# KiCad board AmigaPCI Mainboard.kicad_pcb (continued)
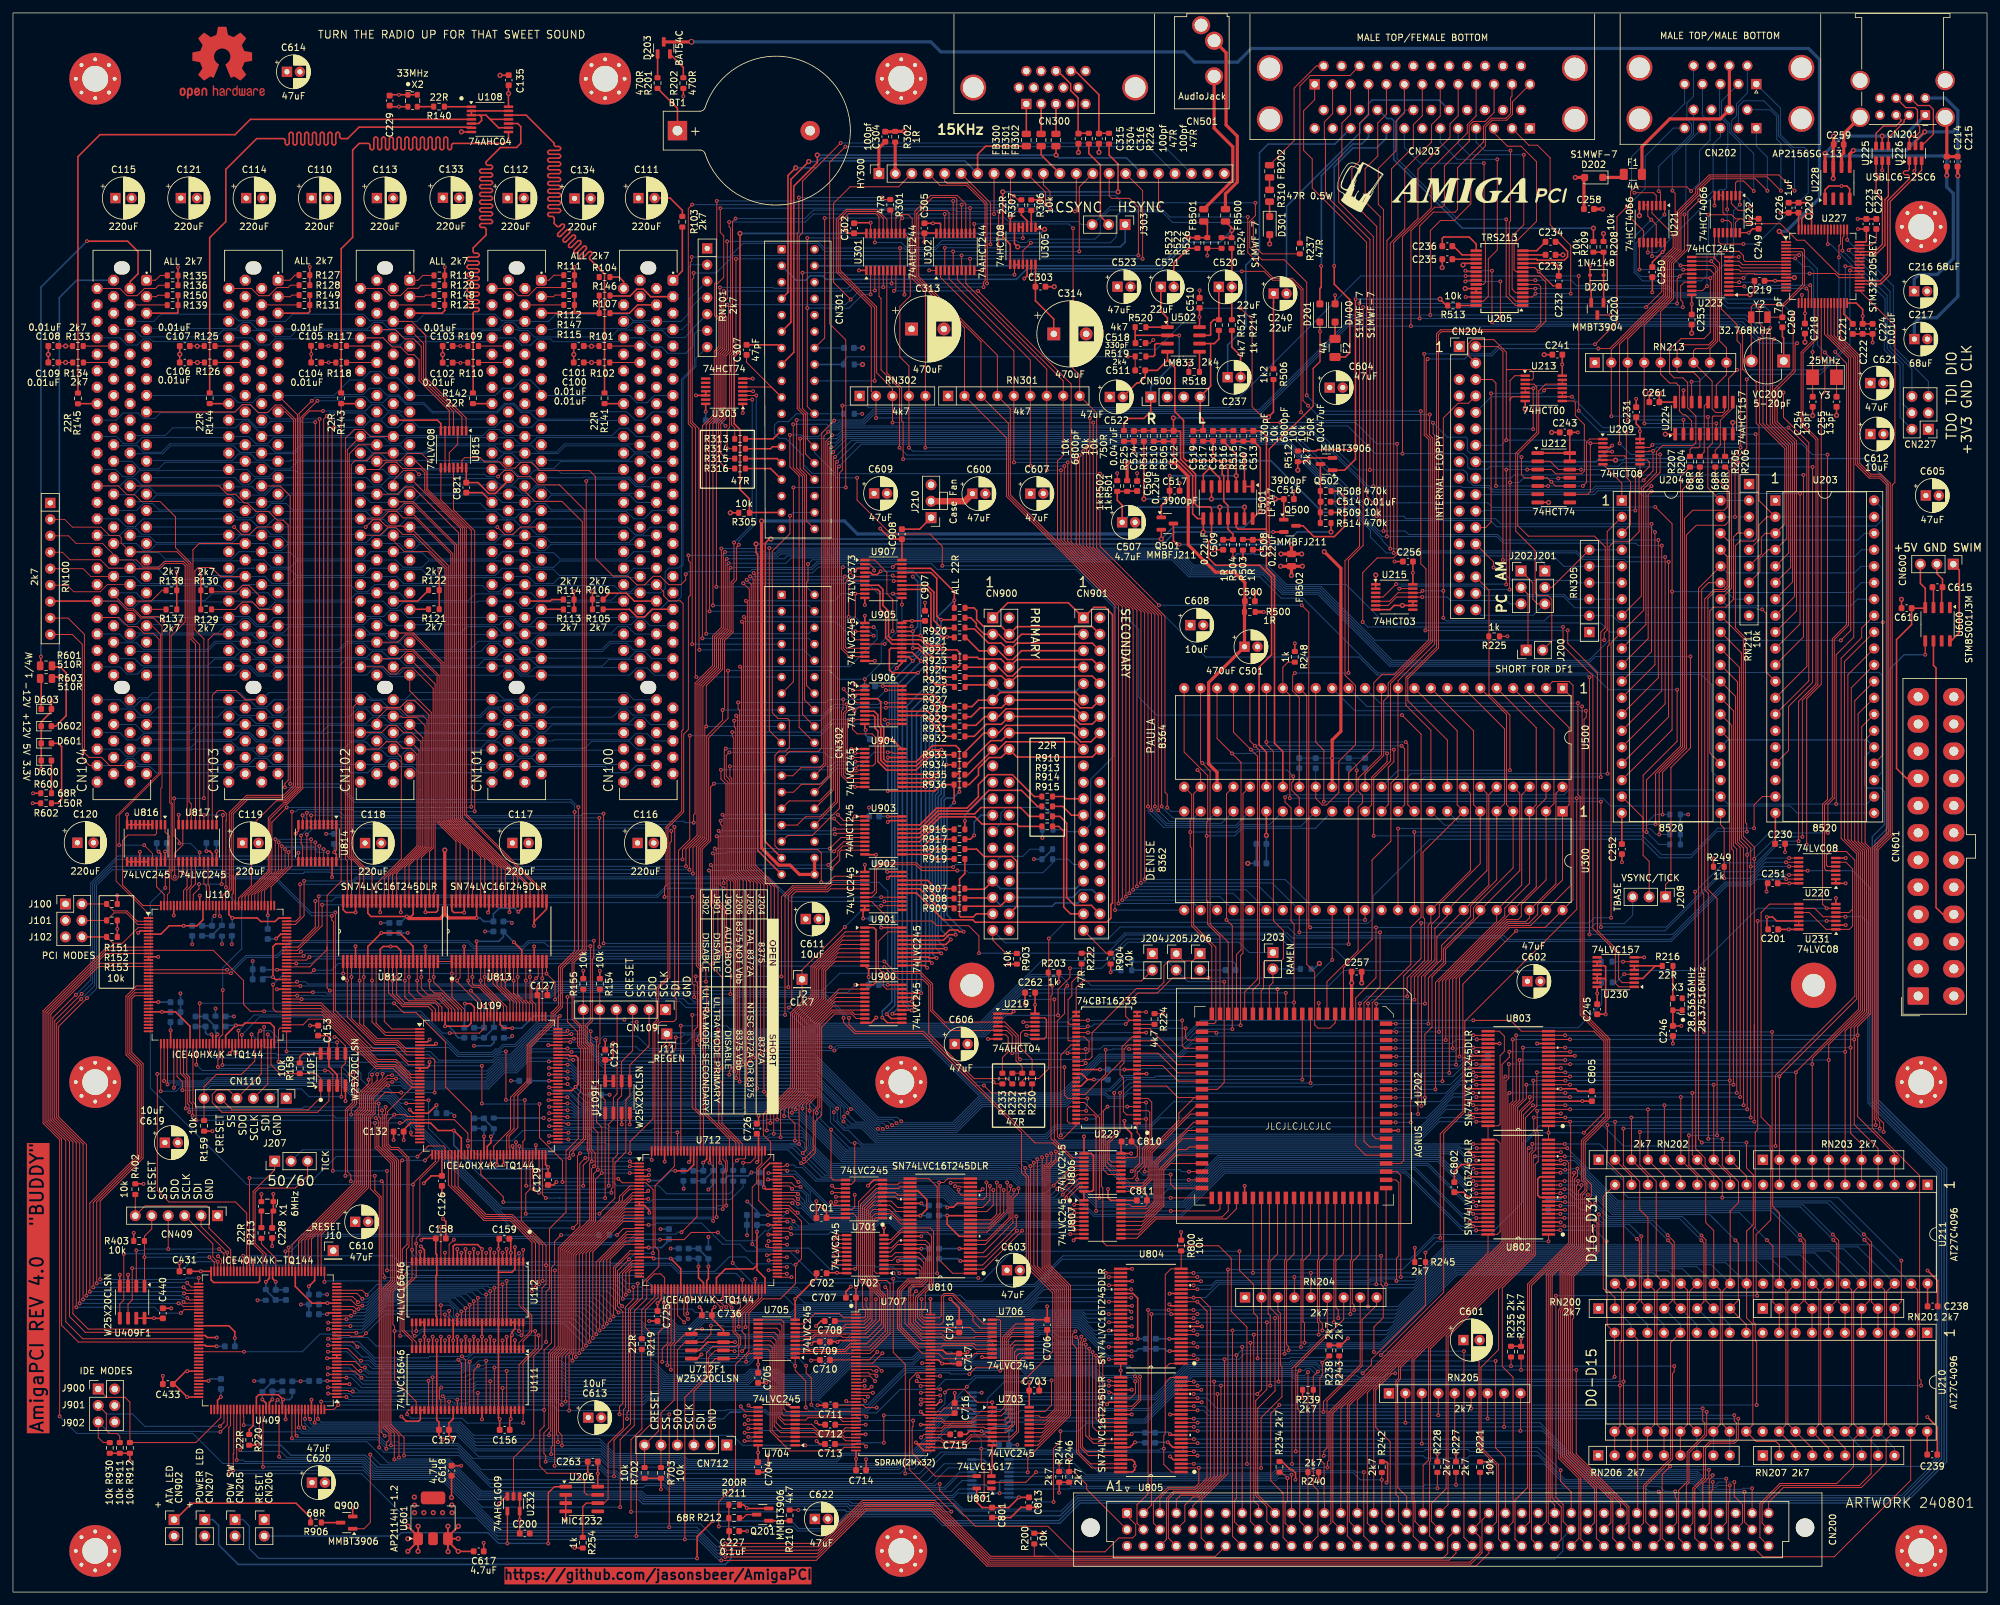
[diagram p0: board, top side]
## Routing (per net, layer and track width the routed paths; a pad name or vN(x,y) marks a point on that pad's centre or on a via; arc(x,y) is an arc through that point) (continued)
Net-(BT1-+): length 7.8
  Top w0.25: R201.1 102.6,229.12 BT1.1
Net-(C237-Pad2): length 7.8
  Top w0.25: C237.2 189.55,190.89 188.2,192.24 R214.2
Net-(C315-Pad1): length 12.5
  Top w0.25: 164.46,225.26 164.46,230.71 163.31,231.86 163.31,232.89 161.34,234.86 ; R304.1 164.56,225.26
Net-(C316-Pad1): length 13.4
  Top w0.25: CN300.14 164.03,234.86 167.67,231.23 C316.1 ; R226.1 167.72,225.26
Net-(C515-Pad2): length 3.1
  Top w0.25: 188.44,179.35 185.33,179.35
Net-(C520-Pad1): length 10.1
  Top w0.25: C520.1 R521.2 185.42,196.47 184.93,195.98 184.93,194.16 184.82,194.05 183.2,194.05
Net-(C521-Pad1): length 10
  Top w0.25: C521.1 177.23,197.78 178.25,196.75 U502.1 174.93,195.32
Net-(C521-Pad2): length 8.3
  Top w0.25: R522.2 181.5,207.5 179.23,205.22 ; 179.24,201.55 179.24,205.23
Net-(C524-Pad2): length 3
  Top w0.25: R510.2 173.13,179.35
Net-(CN100-_PRSNT1): length 4.7
  Top w0.15: R101.1 CN100.B9
Net-(CN100-_PRSNT2): length 4.7
  Top w0.15: 92.14,189.86 CN100.B11
Net-(CN100-_TRST): length 8.8
  Top w0.25: R103.1 103.35,204.01 CN100.A1
Net-(CN100-TCK): length 3.5
  Top w0.25: R104.2 93.58,203.06 94.28,202.36 CN100.B2
Net-(CN101-_PRSNT1): length 4.6
  Top w0.15: R109.1 CN101.B9
Net-(CN101-_PRSNT2): length 4.6
  Top w0.15: 71.91,189.86 CN101.B11
Net-(CN101-_TRST): length 3.8
  Top w0.15: R111.1 83.53,203.34 82.75,202.56 CN101.A1
Net-(CN101-TCK): length 12.2
  Top w0.15: R112.2 84.69,201.45 80.86,201.45 79.59,200.18 78.05,200.18 76.94,201.29 CN101.B2
Net-(CN102-_PRSNT1): length 4.7
  Top w0.15: CN102.B9 51.48,192.41
Net-(CN102-_PRSNT2): length 4.7
  Top w0.15: CN102.B11 51.46,189.86
Net-(CN102-_TRST): length 4.1
  Top w0.15: R119.1 63.29,203.31 62.54,202.56 CN102.A1
Net-(CN102-TCK): length 12.5
  Top w0.15: R120.2 63.03,201.79 62.56,201.32 60.97,201.32 59.83,200.18 58.26,200.18 57.15,201.29 CN102.B2
Net-(CN103-_PRSNT1): length 4.7
  Top w0.15: R125.1 CN103.B9
Net-(CN103-_PRSNT2): length 4.6
  Top w0.15: R126.1 CN103.B11
Net-(CN103-_TRST): length 3.6
  Top w0.15: CN103.A1 42.75,202.56 43.54,203.35 R127.1
Net-(CN103-TCK): length 12
  Top w0.15: CN103.B2 36.83,201.29 37.94,200.18 39.52,200.18 40.79,201.45 42.5,201.45 42.85,201.8 R128.2
Net-(CN104-_PRSNT1): length 4.7
  Top w0.15: R133.1 CN104.B9
Net-(CN104-_PRSNT2): length 4.7
  Top w0.15: 10.87,189.86 CN104.B11
Net-(CN104-_TRST): length 3.5
  Top w0.15: CN104.A1 22.01,202.56 22.75,203.31 R135.1
Net-(CN104-TCK): length 12
  Top w0.15: R136.2 22.5,201.79 22.01,201.3 20.29,201.3 19.17,200.18 17.62,200.18 16.51,201.29 CN104.B2
Net-(CN203-Pad34): length 43.6
  Top w0.25: 206.41,191.39 205.73,190.71 F2.2 ; v1(204,204.78) 204,201.96 206.42,199.54 206.42,191.41
  Bottom w0.25: CN203.34 212.06,224.51 210.55,223 206.92,223 204,220.08 v1(204,204.78)
Net-(CN206-Pin_2): length 68.9
  Top w0.15: 82.66,7.61 82.66,15.33 83.04,15.71
  Top w0.2: U206.1 83.6,16.27 82.65,15.32 v1(82.65,7.51) ; U232.4 v1(76.34,7.51)
  Bottom w0.2: v1(82.65,7.51) v1(76.34,7.51) 74.98,7.51 73.32,9.17 59.97,9.17 59.45,8.65 CN206.2
Net-(CN207-Pin_1): length 94.6
  Top w0.2: R212.2 110.53,9.46
  Top w0.25: v1(110.58,8.14) C227.1
  Bottom w0.25: CN207.1 30.86,11.19 31.76,10.29 31.76,7.3 34.79,4.26 110,4.26 110.88,5.15 110.88,7.84 v1(110.58,8.14)
Net-(CN300-Pad1): length 4.6
  Top w0.25: CN300.1 156.46,225.17
Net-(CN300-Pad2): length 4.6
  Top w0.25: CN300.2 158.75,225.17
Net-(CN300-Pad3): length 4.6
  Top w0.25: CN300.3 161.04,225.17
Net-(CN301-Pad23): length 6.1
  Top w0.25: R313.1 117.36,178.07 CN301.23
Net-(CN301-Pad25): length 5.7
  Top w0.25: CN301.25 117.29,176.86 116.98,176.55 R314.1
Net-(CN301-Pad27): length 5.9
  Top w0.25: CN301.27 117.99,175.02 R315.1
Net-(CN301-Pad29): length 6.3
  Top w0.25: CN301.29 116.98,173.49 R316.1
Net-(CN301-Pad33): length 98.3
  Top w0.25: v2(159.29,210.44) 158.2,210.44 U305.1 ; v2(112.25,209.79) 112.25,209.79 112.25,191.62 111.35,190.72 111.35,180.41 112.25,179.51 112.25,170.26 113.71,168.81 R305.1 ; CN301.33 113.76,166.7
  Bottom w0.25: v2(112.25,209.79) 158.65,209.79 v2(159.29,210.44)
Net-(CN500-Pin_1): length 28.8
  Top w0.25: R520.1 173.27,192.91 ; 173.27,194.05 U502.2 180.06,194.05 v1(180.07,194.05) ; CN500.1 175.68,182.3 174.61,181.23 172.25,181.23 171.54,180.52 R525.2
  Bottom w0.25: v1(180.07,194.05) 180.07,190.54 175.68,186.15 CN500.1
Net-(CN500-Pin_4): length 20.4
  Top w0.25: 184.92,192.78 185.5,192.78 186.19,193.48 R521.1 ; 184.92,192.78 184.92,186.21 183.31,184.6 183.31,181.54 183.76,181.08 R517.2 182.29,179.36 ; 184.92,192.78 183.2,192.78
Net-(CN501-PadR): length 23.6
  Top w0.5: FB501.2 188.34,218.02 188.34,223.17 185.46,226.05 CN501.R
Net-(CN501-PadT): length 28.2
  Top w0.5: CN501.T 187.31,237.7 187.31,226.54 189.04,224.81 189.04,217.73 187.21,215.9 FB500.2
Net-(CN902-Pin_1): length 23.6
  Top w0.25: R906.2 45.96,11.47 43.71,13.72 27.61,13.72 25.08,11.19
Net-(D200-K): length 9.3
  Top w0.25: 245.6,206.88 D200.1 245.6,199.15 ; R209.2 R208.1
Net-(D201-A): length 31
  Top w0.25: v1(201.99,204.77) 201.99,201.48 201.79,201.28 D201.2
  Bottom w0.25: CN203.35 209.29,224.66 208.23,223.6 206.88,223.6 202.02,218.74 202.02,204.8 v1(201.99,204.77)
Net-(D202-K): length 3.5
  Top w0.5: F1.1 248.23,218.44 D202.1
Net-(D203-Pad1): length 3.6
  Top w0.25: D203.1 99.53,233.85
Net-(D203-Pad2): length 4.5
  Top w0.25: R202.2 103.5,235.42 D203.2
Net-(D301-K): length 2.3
  Top w0.25: R310.2 194.02,212.43
Net-(D400-K): length 2.6
  Top w0.25: 204.13,196.09 F2.1
Net-(D600-A): length 5.1
  Top w0.25: D600.2 5.94,123.36
Net-(D601-A): length 11.8
  Top w0.25: R600.2 6.95,121.8 7.51,122.36 7.51,130.54 6.99,131.06 D601.2
Net-(D602-A): length 12.2
  Top w0.25: 5.94,142.86 7.29,142.86 8.21,141.94 8.21,135.36 8.23,135.34 6.6,133.71 D602.2
Net-(D603-K): length 4.9
  Top w0.25: D603.1 4.37,141.26
Net-(FB202-Pad1): length 1.9
  Top w0.25: FB202.1 R310.1
Net-(J204-B): length 21.1
  Top w0.15: U229.29 U229.30 164.16,93.34 165.18,94.36 174.25,94.36 J204.2
  Bottom w0.25: 172.75,96.04 J204.2
Net-(J206-A): length 29.7
  Top w0.15: U229.41 165.08,81.94 165.39,82.25 166.19,82.25 166.61,82.67 166.61,86.35 173.46,93.2 176.73,93.2 177.71,94.18 177.71,96.74 178.43,97.45 182.15,97.45 J206.1
Net-(J206-B): length 3.9
  Bottom w0.15: C213.2 J206.2
Net-(J303-A): length 22.8
  Top w0.25: U305.6 154.63,208.22 v2(155.13,207.72)
  Bottom w0.25: v2(155.13,207.72) 170.99,207.72 171.72,208.45 J303.1
Net-(J303-C): length 13.7
  Top w0.25: J303.2 167.89,212.44 167.89,220.36 166.12,222.14 R304.2
Net-(Q201-B): length 3.2
  Top w0.2: Q201.1 119.9,11.01
Net-(Q201-C): length 2.9
  Top w0.2: Q201.3 113.26,11.96 112.74,11.44 R211.2
Net-(Q500-G): length 15.9
  Top w0.25: R508.1 204.68,170.01 205.6,169.09 205.6,164.56 204.01,162.97 200.87,162.97 199.19,164.64 Q500.3
Net-(Q500-S): length 35.6
  Top w0.25: R511.2 v2(174.61,168.79) ; v2(194.93,168.79) 196.2,168.79 ; v2(185.05,168.79) 185.05,170.7 ; 196.22,165.59 196.22,168.76
  Bottom w0.25: v2(174.61,168.79) v2(185.05,168.79) v2(194.93,168.79)
Net-(Q501-G): length 29.4
  Top w0.25: v1(180.11,161.76) 179.75,161.76 179.18,162.34 Q501.3 ; v2(203.51,163.7) 203.51,163.7 R514.1
  Bottom w0.25: v2(203.51,163.7) 198.29,163.7 196.36,161.76 v1(180.11,161.76)
Net-(Q501-S): length 25.1
  Top w0.25: U501.3 v2(188.87,172.38) 188.87,175.74 R516.2 ; Q501.1 177.3,167.75 178.58,169.03 178.58,172.35 v1(178.61,172.38)
  Bottom w0.25: v1(178.61,172.38) v2(188.87,172.38)
Net-(Q502-B): length 52.4
  Top w0.25: Q502.1 205.59,173.23 207.29,174.92 207.29,199.62 v1(207.31,199.65) ; 207.26,176.4 201.41,176.4 201.21,176.2 R512.2 ; 221.33,198.67 v2(220.35,199.65)
  Bottom w0.25: v2(220.35,199.65) v1(207.31,199.65)
Net-(Q502-C): length 9.1
  Top w0.25: R514.2 201.86,174.17
Net-(Q900-C): length 2.9
  Top w0.25: Q900.3 47.72,10.72
Net-(R141-Pad2): length 99.6
  Top w0.25: R141.2 91.34,203.56 89.08,205.82 arc(88.99,206.03) 89.08,206.24 89.33,206.49 arc(89.41,206.7) 89.33,206.92 arc(89.11,207) 88.9,206.92 87.98,205.99 arc(87.76,205.9) 87.55,205.99 arc(87.46,206.2) 87.55,206.42 88.48,207.34 arc(88.57,207.55) 88.48,207.77 arc(88.27,207.85) 88.05,207.77 87.13,206.84 arc(86.92,206.75) 86.7,206.84 arc(86.62,207.05) 86.7,207.26 87.63,208.19 arc(87.72,208.4) 87.63,208.61 arc(87.42,208.7) 87.21,208.61 86.28,207.69 arc(86.07,207.6) 85.86,207.69 arc(85.77,207.9) 85.86,208.11 86.78,209.04 arc(86.87,209.25) 86.78,209.46 arc(86.57,209.55) 86.36,209.46 85.43,208.54 arc(85.22,208.45) 85.01,208.54 arc(84.92,208.75) 85.01,208.96 85.93,209.89 arc(86.02,210.1) 85.93,210.31 arc(85.72,210.4) 85.51,210.31 84.58,209.39 arc(84.37,209.3) 84.16,209.39 arc(84.07,209.6) 84.16,209.81 85.08,210.74 arc(85.17,210.95) 85.08,211.16 arc(84.87,211.25) 84.66,211.16 84.41,210.91 arc(84.2,210.82) 83.99,210.91 83.57,211.33 83.57,212.12 arc(83.48,212.33) 83.27,212.42 82.87,212.42 arc(82.65,212.51) 82.57,212.72 arc(82.65,212.93) 82.87,213.02 84.27,213.02 arc(84.48,213.11) 84.57,213.32 arc(84.48,213.53) 84.27,213.62 82.87,213.62 arc(82.65,213.71) 82.57,213.92 arc(82.65,214.13) 82.87,214.22 84.27,214.22 arc(84.48,214.31) 84.57,214.52 arc(84.48,214.73) 84.27,214.82 82.87,214.82 arc(82.65,214.91) 82.57,215.12 arc(82.65,215.33) 82.87,215.42 84.27,215.42 arc(84.48,215.51) 84.57,215.72 arc(84.48,215.93) 84.27,216.02 82.87,216.02 arc(82.65,216.11) 82.57,216.32 arc(82.65,216.53) 82.87,216.62 84.27,216.62 arc(84.48,216.71) 84.57,216.92 arc(84.48,217.13) 84.27,217.22 82.87,217.22 arc(82.65,217.31) 82.57,217.52 arc(82.65,217.73) 82.87,217.82 84.27,217.82 arc(84.48,217.91) 84.57,218.12 arc(84.48,218.33) 84.27,218.42 82.87,218.42 arc(82.65,218.51) 82.57,218.72 arc(82.65,218.93) 82.87,219.02 84.27,219.02 arc(84.48,219.11) 84.57,219.32 arc(84.48,219.53) 84.27,219.62 82.87,219.62 arc(82.65,219.71) 82.57,219.92 arc(82.65,220.13) 82.87,220.22 84.27,220.22 arc(84.48,220.31) 84.57,220.52 arc(84.48,220.73) 84.27,220.82 82.87,220.82 arc(82.65,220.91) 82.57,221.12 arc(82.65,221.33) 82.87,221.42 84.27,221.42 arc(84.48,221.51) 84.57,221.72 arc(84.48,221.93) 84.27,222.02 82.87,222.02 arc(82.65,222.11) 82.57,222.32 arc(82.65,222.53) 82.87,222.62 84.27,222.62 arc(84.48,222.71) 84.57,222.92 arc(84.48,223.13) 84.27,223.22 83.87,223.22 arc(83.65,223.31) 83.57,223.52 83.57,223.72 79.23,228.06 U108.12
Net-(R142-Pad2): length 99.6
  Top w0.25: 71.05,185.2 71.05,197.44 arc(71.14,197.65) 71.35,197.74 71.7,197.74 arc(71.91,197.82) 72,198.04 arc(71.91,198.25) 71.7,198.34 70.4,198.34 arc(70.19,198.42) 70.1,198.64 arc(70.19,198.85) 70.4,198.94 71.7,198.94 arc(71.91,199.02) 72,199.24 arc(71.91,199.45) 71.7,199.54 70.4,199.54 arc(70.19,199.62) 70.1,199.84 arc(70.19,200.05) 70.4,200.14 71.7,200.14 arc(71.91,200.22) 72,200.44 arc(71.91,200.65) 71.7,200.74 70.4,200.74 arc(70.19,200.82) 70.1,201.04 arc(70.19,201.25) 70.4,201.34 71.7,201.34 arc(71.91,201.42) 72,201.64 arc(71.91,201.85) 71.7,201.94 70.4,201.94 arc(70.19,202.02) 70.1,202.24 arc(70.19,202.45) 70.4,202.54 71.7,202.54 arc(71.91,202.62) 72,202.84 arc(71.91,203.05) 71.7,203.14 70.4,203.14 arc(70.19,203.22) 70.1,203.44 arc(70.19,203.65) 70.4,203.74 71.7,203.74 arc(71.91,203.82) 72,204.04 arc(71.91,204.25) 71.7,204.34 70.4,204.34 arc(70.19,204.42) 70.1,204.64 arc(70.19,204.85) 70.4,204.94 71.7,204.94 arc(71.91,205.02) 72,205.24 arc(71.91,205.45) 71.7,205.54 70.4,205.54 arc(70.19,205.62) 70.1,205.84 arc(70.19,206.05) 70.4,206.14 71.7,206.14 arc(71.91,206.22) 72,206.44 arc(71.91,206.65) 71.7,206.74 71.35,206.74 arc(71.14,206.82) 71.05,207.04 71.05,207.55 73.05,209.55 73.05,210.42 arc(72.96,210.64) 72.75,210.72 72.35,210.72 arc(72.14,210.81) 72.05,211.02 arc(72.14,211.24) 72.35,211.32 73.75,211.32 arc(73.96,211.41) 74.05,211.62 arc(73.96,211.84) 73.75,211.92 72.35,211.92 arc(72.14,212.01) 72.05,212.22 arc(72.14,212.44) 72.35,212.52 73.75,212.52 arc(73.96,212.61) 74.05,212.82 arc(73.96,213.04) 73.75,213.12 72.35,213.12 arc(72.14,213.21) 72.05,213.42 arc(72.14,213.64) 72.35,213.72 73.75,213.72 arc(73.96,213.81) 74.05,214.02 arc(73.96,214.24) 73.75,214.32 72.35,214.32 arc(72.14,214.41) 72.05,214.62 arc(72.14,214.84) 72.35,214.92 73.75,214.92 arc(73.96,215.01) 74.05,215.22 arc(73.96,215.44) 73.75,215.52 72.35,215.52 arc(72.14,215.61) 72.05,215.82 arc(72.14,216.04) 72.35,216.12 73.75,216.12 arc(73.96,216.21) 74.05,216.42 arc(73.96,216.64) 73.75,216.72 72.35,216.72 arc(72.14,216.81) 72.05,217.02 arc(72.14,217.24) 72.35,217.32 73.75,217.32 arc(73.96,217.41) 74.05,217.62 arc(73.96,217.84) 73.75,217.92 72.35,217.92 arc(72.14,218.01) 72.05,218.22 arc(72.14,218.44) 72.35,218.52 73.75,218.52 arc(73.96,218.61) 74.05,218.82 arc(73.96,219.04) 73.75,219.12 72.35,219.12 arc(72.14,219.21) 72.05,219.42 arc(72.14,219.64) 72.35,219.72 73.75,219.72 arc(73.96,219.81) 74.05,220.02 arc(73.96,220.24) 73.75,220.32 73.35,220.32 arc(73.14,220.41) 73.05,220.62 73.05,220.85 75.26,223.06 77.75,223.06 78.41,223.72 78.41,226.29 77.94,226.76 U108.10
Net-(R143-Pad2): length 99.6
  Top w0.25: 50.68,185.17 50.68,207.42 52.45,209.19 52.45,222.68 53.47,223.7 54.82,223.7 arc(55.03,223.61) 55.12,223.4 55.12,223.02 arc(55.21,222.81) 55.42,222.72 arc(55.63,222.81) 55.72,223.02 55.72,224.38 arc(55.81,224.59) 56.02,224.68 arc(56.23,224.59) 56.32,224.38 56.32,223.02 arc(56.41,222.81) 56.62,222.72 arc(56.83,222.81) 56.92,223.02 56.92,224.38 arc(57.01,224.59) 57.22,224.68 arc(57.43,224.59) 57.52,224.38 57.52,223.02 arc(57.61,222.81) 57.82,222.72 arc(58.03,222.81) 58.12,223.02 58.12,224.38 arc(58.21,224.59) 58.42,224.68 arc(58.63,224.59) 58.72,224.38 58.72,223.02 arc(58.81,222.81) 59.02,222.72 arc(59.23,222.81) 59.32,223.02 59.32,224.38 arc(59.41,224.59) 59.62,224.68 arc(59.83,224.59) 59.92,224.38 59.92,223.02 arc(60.01,222.81) 60.22,222.72 arc(60.43,222.81) 60.52,223.02 60.52,224.38 arc(60.61,224.59) 60.82,224.68 arc(61.03,224.59) 61.12,224.38 61.12,223.02 arc(61.21,222.81) 61.42,222.72 arc(61.63,222.81) 61.72,223.02 61.72,224.38 arc(61.81,224.59) 62.02,224.68 arc(62.23,224.59) 62.32,224.38 62.32,223.02 arc(62.41,222.81) 62.62,222.72 arc(62.83,222.81) 62.92,223.02 62.92,224.38 arc(63.01,224.59) 63.22,224.68 arc(63.43,224.59) 63.52,224.38 63.52,223.02 arc(63.61,222.81) 63.82,222.72 arc(64.03,222.81) 64.12,223.02 64.12,224.38 arc(64.21,224.59) 64.42,224.68 arc(64.63,224.59) 64.72,224.38 64.72,223.02 arc(64.81,222.81) 65.02,222.72 arc(65.23,222.81) 65.32,223.02 65.32,224.38 arc(65.41,224.59) 65.62,224.68 arc(65.83,224.59) 65.92,224.38 65.92,223.02 arc(66.01,222.81) 66.22,222.72 arc(66.43,222.81) 66.52,223.02 66.52,224.38 arc(66.61,224.59) 66.82,224.68 arc(67.03,224.59) 67.12,224.38 67.12,223.02 arc(67.21,222.81) 67.42,222.72 arc(67.63,222.81) 67.72,223.02 67.72,223.4 arc(67.81,223.61) 68.02,223.7 76,223.7 76.51,224.21 U108.8
Net-(R144-Pad2): length 99.7
  Top w0.25: U108.6 70.69,226.21 53.43,226.21 51.66,224.43 50.75,224.43 arc(50.54,224.52) 50.45,224.73 50.45,225.11 arc(50.36,225.32) 50.15,225.41 arc(49.94,225.32) 49.85,225.11 49.85,223.76 arc(49.76,223.55) 49.55,223.46 arc(49.34,223.55) 49.25,223.76 49.25,225.11 arc(49.16,225.32) 48.95,225.41 arc(48.74,225.32) 48.65,225.11 48.65,223.76 arc(48.56,223.55) 48.35,223.46 arc(48.14,223.55) 48.05,223.76 48.05,225.11 arc(47.96,225.32) 47.75,225.41 arc(47.54,225.32) 47.45,225.11 47.45,223.76 arc(47.36,223.55) 47.15,223.46 arc(46.94,223.55) 46.85,223.76 46.85,225.11 arc(46.76,225.32) 46.55,225.41 arc(46.34,225.32) 46.25,225.11 46.25,223.76 arc(46.16,223.55) 45.95,223.46 arc(45.74,223.55) 45.65,223.76 45.65,225.11 arc(45.56,225.32) 45.35,225.41 arc(45.14,225.32) 45.05,225.11 45.05,223.76 arc(44.96,223.55) 44.75,223.46 arc(44.54,223.55) 44.45,223.76 44.45,225.11 arc(44.36,225.32) 44.15,225.41 arc(43.94,225.32) 43.85,225.11 43.85,223.76 arc(43.76,223.55) 43.55,223.46 arc(43.34,223.55) 43.25,223.76 43.25,225.11 arc(43.16,225.32) 42.95,225.41 arc(42.74,225.32) 42.65,225.11 42.65,223.76 arc(42.56,223.55) 42.35,223.46 arc(42.14,223.55) 42.05,223.76 42.05,224.13 arc(41.96,224.35) 41.75,224.43 37.62,224.43 32.87,219.68 32.87,211.63 30.38,209.14 R144.2
Net-(R145-Pad2): length 99.6
  Top w0.25: U108.4 36.66,227.41 34.29,225.04 13.43,225.04 10.03,221.64 R145.2
Net-(R226-Pad2): length 37.4
  Top w0.25: 169.24,223.6 169.24,221.9 170.62,220.51 v2(170.62,216.21) ; U305.8 153.98,208.11 152.82,209.27 v2(152.82,216.21)
  Bottom w0.25: v2(152.82,216.21) v2(170.62,216.21)
Net-(R230-Pad2): length 9.3
  Top w0.15: R230.2 157.36,82.24 155.56,84.03 155.56,86.28 155.99,86.71 U219.10
Net-(R231-Pad2): length 11
  Top w0.15: R232.2 R231.2 155.83,81.1 154.87,82.06 154.87,85.79 153.29,87.36 U219.4
Net-(R233-Pad2): length 7.3
  Top w0.15: U219.6 153.27,86.06 153.66,85.67 153.66,83.43 152.77,82.54 152.77,80.5
Net-(R306-Pad2): length 2.6
  Top w0.25: U305.2 157.23,213.33
Net-(R307-Pad1): length 3
  Top w0.25: R307.1 155.69,212.64 156.58,211.75 U305.3
Net-(U108-Pad11): length 18.5
  Top w0.25: 73.68,227.41 73.03,228.06 72.03,228.06 ; 73.68,227.41 U108.11 ; 73.68,227.41 74.98,226.11 U108.9 ; U108.5 71.89,226.76 72.36,227.23 72.36,227.73 72.03,228.06 ; 72.03,228.06 U108.3 U108.2 U108.13
Net-(U109-GNDPLL0): length 5.6
  Top w0.25: U109.53 v1(72.73,70.38)
  Bottom w0.25: v1(72.73,70.38) 72.73,71.58 ; 72.72,71.59 71.2,71.59
Net-(U109-GNDPLL1): length 6.8
  Top w0.25: U109.127 73.23,90.03 v1(72.72,90.54)
  Bottom w0.25: C139.2 C138.2 72.73,90.53 v1(72.72,90.54)
Net-(U109-VCCPLL0): length 8.1
  Top w0.25: v1(73.8,70.34) 73.8,69.39 73.23,68.82 U109.54
  Bottom w0.25: C136.1 C137.1 ; 72.72,73.06 R157.1 74.24,70.78 v1(73.8,70.34)
Net-(U109-VCCPLL1): length 9.7
  Top w0.25: U109.126 73.73,90.78 v1(73.66,90.86)
  Bottom w0.25: R156.1 74.27,90.24 v1(73.66,90.86) ; C139.1 C138.1 74.27,87.13
Net-(U110-GNDPLL0): length 5
  Top w0.25: v1(30.65,86.1) 30.84,85.91 U110.53
  Bottom w0.25: v1(30.65,86.1) 29.99,86.1 29.73,86.36 C149.2 C150.2
Net-(U110-GNDPLL1): length 4.9
  Top w0.15: v1(31.11,104.4) 31.34,104.63 U110.127
  Bottom w0.15: C152.2 30.74,104.03 v1(31.11,104.4)
  Bottom w0.25: C152.2 C151.2
Net-(U110-VCCPLL0): length 6.5
  Top w0.25: U110.54 31.34,85.87 v1(31.58,86.11)
  Bottom w0.25: C150.1 C149.1 ; v1(31.58,86.11) 31.27,86.42 R161.1 29.73,88.82
Net-(U110-VCCPLL1): length 7
  Top w0.15: U110.126 31.84,104.47 v1(31.94,104.37)
  Bottom w0.15: R160.1 32.27,104.04 v1(31.94,104.37)
  Bottom w0.25: 30.74,101.4 R160.1 ; C151.1 C152.1
Net-(U205B-C1+): length 10.5
  Top w0.25: C234.1 238.56,208.49 240.04,207.02 240.04,206.19 239.53,205.68 235.37,205.68 235.23,205.82 U205.12
Net-(U205B-C1-): length 4.1
  Top w0.25: C234.2 235.25,207.12 U205.14
Net-(U205B-C2+): length 8
  Top w0.25: U205.15 225.92,208.16 224.84,209.25 220.9,209.25 220.69,209.03 C236.2
Net-(U205B-C2-): length 4.1
  Top w0.25: U205.16 223.77,206.47 222.41,207.83
Net-(U205B-V+): length 3.5
  Top w0.25: U205.13 236.62,206.47
Net-(U205B-V-): length 3.5
  Top w0.25: U205.17 222.41,205.82
Net-(U219-Pad13): length 6.4
  Top w0.2: U219.8 159.21,85.41 159.56,85.75 159.56,88.41 159.3,88.66 U219.13
Net-(U220-Pad6): length 25.1
  Top w0.15: U231.10 277.35,104.93 279.95,102.33 U231.1 283.53,102.33 284.03,102.83 284.03,106.35 ; U231.5 283.49,104.93 284.03,105.47 284.03,106.35 ; 284.03,106.35 284.03,111.68 283.02,112.69 U220.6
Net-(U227-VBAT): length 213.2
  Top w0.2: U227.1 273.77,209.04 v2(272.71,210.11)
  Top w0.25: 104.75,239.37 v3(104.76,239.38)
  Top w0.5: D203.3 104.75,239.37
  Bottom w0.5: v3(104.76,239.38) 141.71,239.38 143.27,237.82 180.85,237.82 182.41,236.26 187.87,236.26 187.89,236.24 189.09,236.24 191.2,238.35 277.24,238.35 278.93,236.66 278.93,215.26 273.78,210.11 v2(272.71,210.11)
Net-(U227-VCAP_1): length 3.6
  Top w0.25: U227.31 282.7,197.33 284.06,195.97
Net-(U227-VCAP_2): length 4.6
  Top w0.15: C223.1 287.7,208.72 286.95,207.97 U227.47
Net-(U229P-16B1): length 2.7
  Top w0.15: U229.25 176.26,87.66
Net-(U230-I0b): length 10.1
  Top w0.25: U230.5 U230.6 254.63,96.7 ; R216.1 253.57,96.68 251.65,94.75 U230.3
Net-(U230-Za): length 3.9
  Top w0.15: U230.4 248.78,95.4
  Top w0.25: 248.78,95.4 v1(248.77,95.41)
  Bottom w0.15: R217.2 247.5,94.14 v1(248.77,95.41)
Net-(U230-Zb): length 3.4
  Top w0.15: v1(248.59,97.34) 250.31,97.34
  Bottom w0.15: R253.2 v1(248.59,97.34)
Net-(U301-1Y2): length 3.4
  Top w0.15: U301.14 135.67,213.17
Net-(U409-GNDPLL0): length 4.6
  Top w0.25: v1(40.57,47.92) 40.09,48.4 U409.53
  Bottom w0.25: v1(40.57,47.92) 40.57,46.67 ; C438.2 40.58,46.66
Net-(U409-GNDPLL1): length 4.6
  Top w0.25: U409.127 39.59,29.28 v1(40.05,29.74)
  Bottom w0.25: v1(40.05,29.74) 40.05,31.02 ; C436.2 C437.2
Net-(U409-IO0_190): length 4.1
  Top w0.25: U409.122 37.09,25.71 36.48,25.1 R220.1
Net-(U409-VCCPLL0): length 6.8
  Top w0.25: v1(39.05,47.9) 39.59,48.44 U409.54
  Bottom w0.25: C438.1 C439.1 39.04,46.64 ; v1(39.05,47.9) 39.05,46.72
Net-(U409-VCCPLL1): length 6.7
  Top w0.25: U409.126 39.09,29.15 v1(38.5,29.74)
  Bottom w0.25: 40.05,32.48 R400.1 ; C437.1 C436.1 ; v1(38.5,29.74) 38.5,30.93
Net-(U501A--): length 14.6
  Top w0.25: U501.1 U501.2 v2(190.14,175.44) ; 185.29,177.76 183.81,177.76 ; C515.1 v2(185.29,175.45)
  Bottom w0.25: v2(185.29,175.45) 185.3,175.44 v2(190.14,175.44)
Net-(U501B--): length 22.6
  Top w0.25: 171.6,177.75 C524.1 173.08,176.2 v1(173.09,176.19) ; U501.5 186.33,172 v1(184.77,173.56) 183.79,172.58 U501.7
  Bottom w0.25: v1(184.77,173.56) 182.38,175.94 173.33,175.94 v1(173.09,176.19)
Net-(U502A-+): length 5.1
  Top w0.25: U502.3 176.48,192.78 176.3,192.61 176.3,191.02 176.08,190.8 R519.1
Net-(U502B-+): length 3.1
  Top w0.25: R518.1 183.2,191.51
Net-(U600-VCAP): length 3.1
  Top w0.25: 296.52,151.92 296.52,155.01
Net-(U712-GNDPLL0): length 6.6
  Top w0.25: v1(105.85,50.27) 105.85,48.52 106.62,47.76 U712.53
  Bottom w0.25: C735.2 C730.2 v1(105.85,50.27)
Net-(U712-GNDPLL1): length 4.8
  Top w0.25: v1(106.57,66.3) 107.12,66.84 U712.127
  Bottom w0.25: v1(106.57,66.3) 106.57,65.06 ; C729.2 C728.2
Net-(U712-IO0_169): length 4.5
  Top w0.15: v1(112.74,66.29) 113.85,66.29 114.62,67.06 U712.112
  Bottom w0.15: v1(112.74,66.29) R251.1
Net-(U712-IO0_172): length 4.3
  Top w0.15: U712.115 113.12,67.03 112.98,66.89 112.04,66.89 v1(111.78,66.63)
  Bottom w0.15: v1(111.78,66.63) 111.22,66.07 111.22,65.11
Net-(U712-IO2_57): length 8.5
  Top w0.15: U712.38 99.12,45.64 97.1,43.62 R219.1
Net-(U712-IO3_14A_GBIN6): length 4.9
  Top w0.15: v1(93.27,55.13) 94.26,56.12 96.63,56.12
  Bottom w0.15: v1(93.27,55.13) R218.1
Net-(U712-VCCPLL0): length 8.5
  Top w0.25: U712.54 107.12,48.12 107.38,48.38 v1(107.38,50.27)
  Bottom w0.25: C735.1 C730.1 ; 105.85,52.97 R701.2 v1(107.38,50.27)
Net-(U712-VCCPLL1): length 7.6
  Top w0.25: 107.62,67 107.62,66.39 v1(107.54,66.32) ; 107.62,67 U712.126 ; 107.62,67 107.62,66.38
  Bottom w0.25: v1(107.54,66.32) 108.12,65.74 R700.1 ; C729.1 C728.1 108.12,65.03
Net-(U815-Pad6): length 5.7
  Top w0.15: U815.9 U815.6
Net-(U815-Pad10): length 6.3
  Top w0.15: U815.3 68.67,177.24 67.37,175.94 U815.10
Net-(U903A-B0): length 27.3
  Top w0.25: U903.18 140.02,118.46 142.61,121.05 147.3,121.05 149.06,122.81 149.06,124.69 150.58,126.21 154.31,126.21 157.68,122.84 R910.1
Net-(U903A-B1): length 25.1
  Top w0.25: 137.25,117.81 140.01,117.81 142.8,120.6 147.49,120.6 150.68,123.8 155.71,123.8 158.19,121.32 158.88,121.32
Net-(U903A-B2): length 23.8
  Top w0.25: R914.1 156.92,119.78 155.56,121.13 149.45,121.13 148.47,120.16 142.98,120.16 139.99,117.16 U903.16
Net-(U903A-B3): length 23.5
  Top w0.25: R915.1 155.31,118.23 154.94,118.59 149.62,118.59 148.51,119.7 143.17,119.7 139.98,116.51 U903.15
Net-(U903A-B4): length 8.9
  Top w0.25: R916.1 141.87,117.77 139.96,115.86 U903.14
Net-(U903A-B5): length 8.5
  Top w0.25: R917.1 141.68,116.25 140.64,115.21 U903.13
Net-(U903A-B6): length 8.1
  Top w0.25: R918.1 141.5,114.72 141.35,114.56 U903.12
Net-(U903A-B7): length 8.4
  Top w0.25: 137.25,113.91 141.7,113.91 142.43,113.19 R919.1
Net-(X1-OUT): length 2.6
  Top w0.25: R213.2 38.36,58.83
Net-(X2-OUT): length 2.5
  Top w0.25: 64.97,229.37 62.44,229.37
Net-(X3-OUT): length 5
  Top w0.25: X3.3 256.29,96.66

## Copper pours and planes (outline as drawn; the poured copper is in the pictures)
+1V2 on Top: 60.53,16.43 60.52,11.05 63.71,11.04 63.71,5.71 66.03,5.71 66.03,11.04 69.02,11.04 69.02,16.43
+1V2 on In2.Cu: 81.58,39.11 120.7,39.16 120.6,110.42 -0.22,110.5 -0.03,-0.03 81.58,-0.09
+3V3 on In3.Cu: 304.8,0 0,0.03 0,243.84 304.8,243.84
+5V on In2.Cu: 304.71,0.08 -0.09,0.1 -0.09,243.92 304.71,243.92
+12V on In3.Cu: 63.09,216.69 73.15,216.69 73.15,207.84 83.32,207.84 83.32,216.67 93.37,216.67 93.37,207.84 103.59,207.86 103.62,198.8 10.64,198.77 10.64,207.79 42.88,207.82 42.88,216.65 52.75,216.67 52.75,207.84 63.05,207.84
-12V on Bottom: 22.68,207.81 22.65,216.3 32.75,216.3 32.75,207.81 103.59,207.86 103.62,198.8 10.64,198.77 10.64,207.79
GND on Top, Bottom: 304.68,0.01 -0.12,0.03 -0.12,243.85 304.68,243.85
GND on In1.Cu: 304.66,0.02 -0.14,0.05 -0.14,243.86 304.66,243.86
GND on In4.Cu: 304.79,0.03 -0.01,0.06 -0.01,243.87 304.79,243.87
+AV on In2.Cu: 175.53,205.01 168.49,205 168.47,159.53 205.43,159.56 205.4,176.67 193.28,176.68 193.29,182.74 190.66,182.73 190.66,215.77 175.52,215.75
